# Altium PCB PROC114E3_BRD.PcbDoc (part 16 of 18)
Units mm, origin at the board's own origin, x right, y up, seen from the top; angles counter-clockwise.
Board outline 85 x 155.18 mm, 10 copper layers (TOP, L02_GND1, L03_SIG1, L04_GND2, L05_PWR1, L06_PWR2, L07_GND3, L08_SIG2, L09_GND4, BOTTOM), stack 1.134 mm thick; 1389 components, 1010 nets, 5137 pads, 3263 vias.
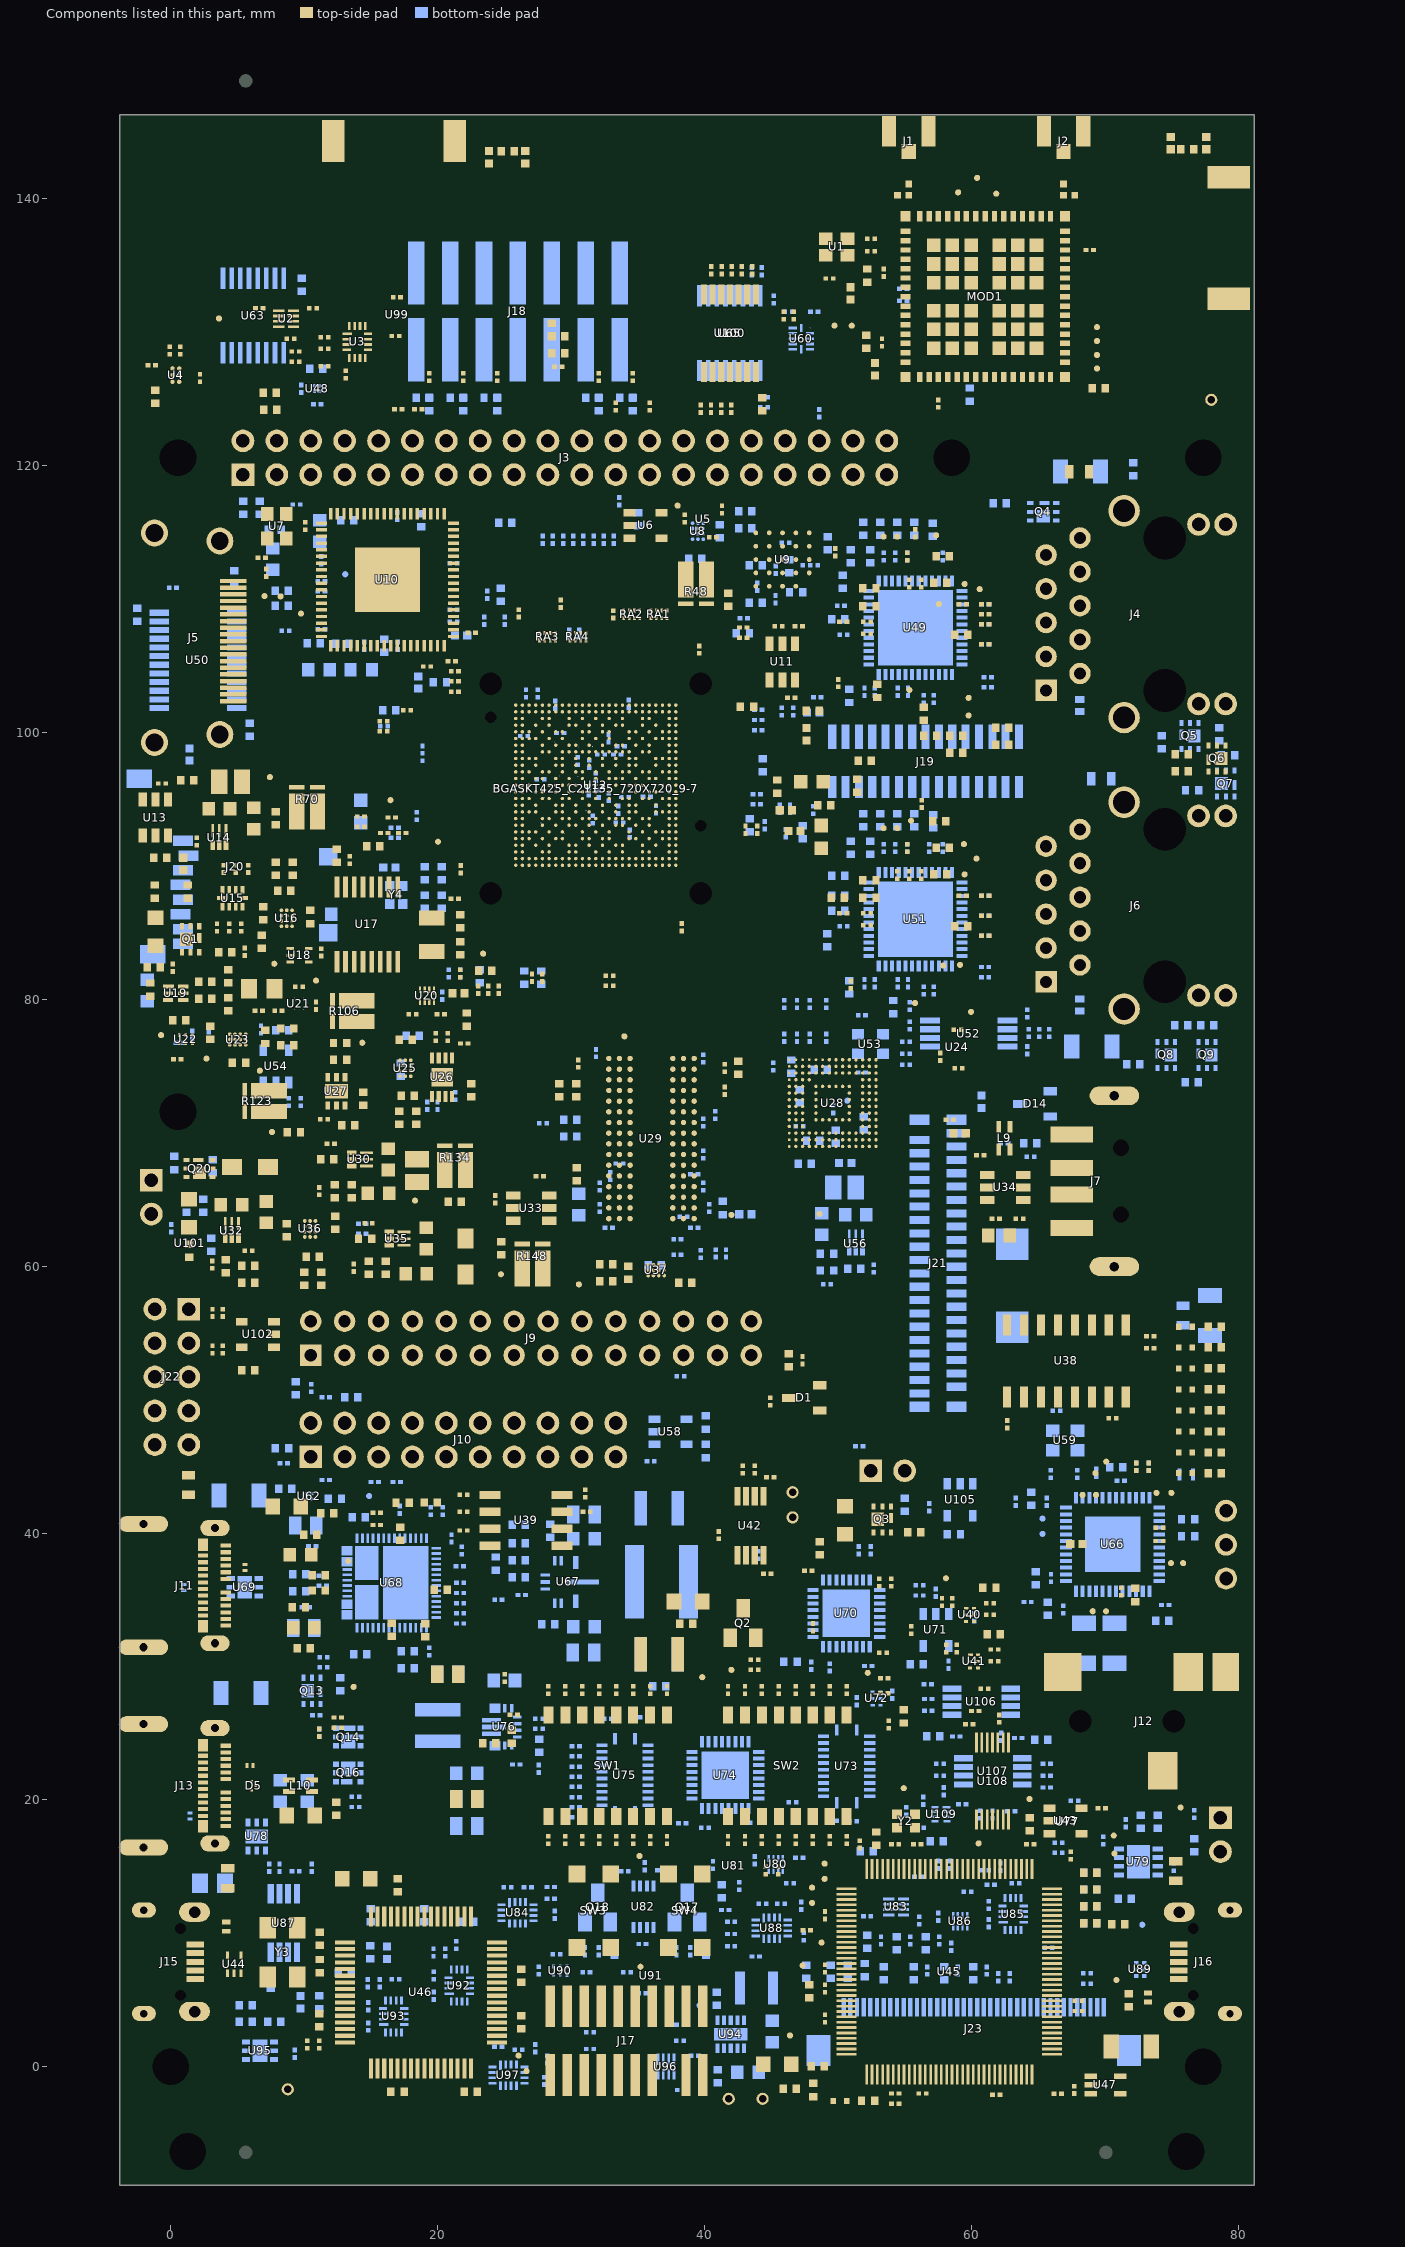
[diagram p24: the components of this part, seen from the top]

## Polygon pours and split planes (outlines as drawn) (continued)
DGND on BOTTOM "BOTTOM-DGND 3" (solid, pour order 7): 14.825,99.792 14.825,101.077 15.739,101.077 15.739,99.792
N17850096 on BOTTOM "BOTTOM-N17850096 1" (solid, pour order 0): 12.612,25.182 12.612,25.639 12.485,25.766 10.885,25.766 10.885,25.182
DGND on BOTTOM "BOTTOM-DGND 4" (solid, pour order 131): 68.569,2.677 68.569,-0.218 72.734,-0.218 72.734,2.677
DGND on BOTTOM "BOTTOM-DGND 5" (solid, pour order 87): 29.658,79.822 29.658,81.351 26.125,81.351 26.125,79.822
SOC_DVDD1V8 on BOTTOM "BOTTOM-SOC_DVDD1V8" (solid, pour order 58): 22.417,104.76 22.417,102.906 20.418,102.906 20.418,104.76
VDDR_CORE on BOTTOM "BOTTOM-VDDR_CORE" (solid, pour order 56): 23.458,112.381 23.458,110.424 25.338,110.424 25.338,112.381
CPSW1_GPIO_0 on BOTTOM "BOTTOM-CPSW1_GPIO_0" (solid, pour order 89): 77.495,78.41 77.495,74.574 78.918,74.574 78.918,78.41
CPSW1_LED_1000 on BOTTOM "BOTTOM-CPSW1_LED_1000" (solid, pour order 41): 78.232,97.409 78.232,94.894 79.299,94.894 79.299,97.409
VCC3V3_EXP on BOTTOM "BOTTOM-VCC3V3_EXP 1" (solid, pour order 115): 4.307,120.279 6.516,120.279 6.516,118.374 7.024,118.374 7.024,116.926 4.307,116.926
VDD_DDR4 on BOTTOM "BOTTOM-VDD_DDR4 1" (solid, pour order 46): 35.764,64.348 36.45,64.348 36.45,63.599 37.809,62.24 37.809,60.488 37.123,60.488 37.123,61.961 35.764,63.32
N17849698 on BOTTOM "BOTTOM-N17849698" (solid, pour order 123): 11.012,24.877 14.594,24.877 14.594,21.854 11.495,21.854 11.495,23.467 10.961,24 10.961,24.826
VCC3V3_TA on BOTTOM "BOTTOM-VCC3V3_TA 1" (solid, pour order 128): 44.312,7.264 44.312,4.608 43.552,3.848 42.826,3.848 42.826,3.12 43.513,3.12 43.677,2.957 47.156,2.957 47.156,4.506 46.318,4.506 45.988,4.836 45.988,7.264
CPSW2_LED_1000 on BOTTOM "BOTTOM-CPSW2_LED_1000" (solid, pour order 32): 64.186,116.688 64.186,115.722 66.599,115.722 66.599,116.688
VCC_3V3_FT4232 on BOTTOM "BOTTOM-VCC_3V3_FT4232" (solid, pour order 100): 8.015,4.633 8.015,2.55 7.463,2.55 7.463,1.661 9.234,1.661 10.098,2.525 10.098,4.633
VHDMI_AVCC_1V2 on BOTTOM "BOTTOM-VHDMI_AVCC_1V2" (solid, pour order 108): 14.263,106.335 14.263,104.176 17.642,104.176 17.642,106.335
VCC3V3_PRU on BOTTOM "BOTTOM-VCC3V3_PRU" (solid, pour order 110): 8.599,46.695 11.469,46.695 11.469,43.368 10.936,42.835 10.58,42.835 10.453,42.962 10.453,44.714 8.599,44.714
N17936309 on BOTTOM "BOTTOM-N17936309" (solid, pour order 73): 9.5,29.515 9.5,26.111 10.82,26.111 10.82,29.515
VBUS_TYPEC1 on BOTTOM "BOTTOM-VBUS_TYPEC1 1" (solid, pour order 96): 10.758,41.285 12.449,41.285 12.449,40.467 12.782,40.134 12.782,39.77 13.019,39.533 13.383,39.533 13.552,39.533 13.552,38.339 12.753,38.339 12.416,38.677 10.758,38.677
AGND_AUD on L08_SIG2 "L08_SIG2-AGND_AUD" (solid, pour order 231): 68.086,40.803 68.086,37.653 64.784,37.653 64.454,37.323 64.454,26.986 70.348,21.092 80.555,21.092 80.555,43.155 77.245,43.155 75.147,41.057 73.064,41.057 72.887,41.234 68.518,41.234
UART_SHIELD on L08_SIG2 "L08_SIG2-UART_SHIELD" (solid, pour order 159): -3.175,14.895 3.066,14.895 3.066,12.549 2.998,12.482 2.998,11.25 2.617,10.869 0.141,10.869 -0.164,10.564 -0.164,5.255 0.217,4.874 2.579,4.874 3.037,4.417 3.037,3.045 2.757,2.766 -3.175,2.766
VCC3V3_XDS on L08_SIG2 "L08_SIG2-VCC3V3_XDS" (solid, pour order 172): 23 vertices, not listed, extent 56.007,15.697 70.942,24.384
DRAIN2 on L08_SIG2 "L08_SIG2-DRAIN2" (solid, pour order 72): 13.792,36.017 13.792,33.524 15.519,33.524 15.519,36.017
ETH1_EARTH on L08_SIG2 "L08_SIG2-ETH1_EARTH" (solid, pour order 194): 27 vertices, not listed, extent 69.808,75.462 80.428,97.206
ETH2_EARTH on L08_SIG2 "L08_SIG2-ETH2_EARTH" (solid, pour order 203): 26 vertices, not listed, extent 68.456,99.875 80.428,120.584
HDMI_EARTH on L08_SIG2 "L08_SIG2-HDMI_EARTH" (solid, pour order 177): -3.161,98.233 -3.161,116.596 3.947,116.596 4.719,115.824 4.719,113.011 0.62,113.011 -0.331,112.06 -0.331,101.247 -0.063,100.98 4,100.98 4.687,100.293 4.687,98.233
USB_TYPEC1_EARTH on L08_SIG2 "L08_SIG2-USB_TYPEC1_EARTH" (solid, pour order 170): -3.047,30.211 -3.047,43.786 -3.034,43.8 4.916,43.8 4.916,39.787 -0.226,39.787 -0.801,39.211 -0.801,34.608 1.462,32.344 4.542,32.344 4.542,30.211
USB_TYPEC2_EARTH on L08_SIG2 "L08_SIG2-USB_TYPEC2_EARTH" (solid, pour order 174): -3.047,15.211 -3.047,28.786 -3.034,28.8 4.916,28.8 4.916,24.787 1.35,24.787 1.132,24.568 1.132,17.675 1.462,17.344 4.815,17.344 4.815,15.211 4.815,14.514 4.713,14.412 3.759,14.412 2.96,15.211
DGND on L08_SIG2 "L08_SIG2-DGND" (solid, pour order 249): 19 vertices, not listed, extent -3.175,-3.084 80.682,145.779
DRAIN1 on L08_SIG2 "L08_SIG2-DRAIN1" (solid, pour order 71): 13.792,39.04 13.792,36.551 15.519,36.551 15.519,39.04
USB_TYPEA_EARTH on L08_SIG2 "L08_SIG2-USB_TYPEA_EARTH" (solid, pour order 208): 68.834,73.508 68.834,71.323 73.762,71.323 73.762,61.036 68.758,61.036 68.758,59.055 72.254,59.055 74.676,56.633 76.666,56.633 77.164,57.131 79.849,57.131 80.645,57.927 80.645,72.847 79.985,73.508
DGND on TOP "TOP-DGND" (solid, pour order 253): -3.302,145.779 80.682,145.779 80.682,-3.302 -3.302,-3.302
AGND_AUD on TOP "TOP-AGND_AUD 1" (solid, pour order 225): 68.086,40.803 68.086,37.653 64.784,37.653 64.454,37.323 64.454,26.986 70.348,21.092 80.555,21.092 80.555,42.631 76.722,42.631 75.147,41.057 73.064,41.057 72.887,41.234 68.518,41.234
DGND on TOP "TOP-DGND 1" (solid, pour order 91): 16.854,67.676 16.854,66.609 15.787,66.609 15.457,66.279 15.457,64.348 14.187,64.348 14.187,67.6 15.381,67.6 15.457,67.676
VCC3V3_TA on TOP "TOP-VCC3V3_TA" (solid, pour order 68): 69.95,9.514 69.95,7.645 71.313,7.645 72.014,8.346 72.014,9.785 70.222,9.785
DGND on TOP "TOP-DGND 2" (solid, pour order 156): 28.03,35.367 28.03,29.5 35.726,29.5 35.726,35.367
N17118509 on TOP "TOP-N17118509" (solid, pour order 5): 0.674,80.604 2.554,80.604 2.554,79.614 1.843,79.614 1.843,80.071 1.614,80.3 0.674,80.3
DGND on TOP "TOP-DGND 3" (solid, pour order 118): 68.213,2.779 68.213,-0.066 71.312,-0.066 71.312,2.779
VMAIN on TOP "TOP-VMAIN" (solid, pour order 149): 20.842,34.91 20.842,30.274 20.842,28.561 20.853,28.55 24.511,28.55 24.511,29.261 25.706,29.261 25.706,34.91
VDDSHV_SDIO on TOP "TOP-VDDSHV_SDIO" (solid, pour order 74): 7.177,83.236 7.177,79.745 8.471,79.745 8.471,83.236
DGND on TOP "TOP-DGND 4" (solid, pour order 95): 71.134,51.09 71.134,49.185 71.647,48.672 73.623,48.672 73.623,51.09
VBUS_TYPEC1 on TOP "TOP-VBUS_TYPEC1" (solid, pour order 4): 18 vertices, not listed, extent 2.099,34.287 4.502,35.2
DGND on TOP "TOP-DGND 5" (solid, pour order 43): 3.646,12.075 3.646,10.627 5.551,10.627 5.551,12.075
SOC_DVDD3V3 on TOP "TOP-SOC_DVDD3V3" (solid, pour order 12): 17.111,99.665 17.111,101.189 16.095,101.189 16.095,99.665
N19738757 on TOP "TOP-N19738757" (solid, pour order 101): 0.711,64.465 0.711,67.488 3.404,67.488 3.429,67.462 3.429,66.497 2.032,65.1 2.032,64.465
VCC_5V0 on TOP "TOP-VCC_5V0" (solid, pour order 54): -2.336,126.502 -2.336,125.346 0.319,125.346 0.319,126.274 0.09,126.502 -0.824,126.502 -1.078,126.756 -2.221,126.756 -2.336,126.642
VCC_1V8 on TOP "TOP-VCC_1V8" (solid, pour order 139): 8.548,96.285 8.548,95.504 9.996,95.504 9.996,92.508 8.599,92.508 8.599,93.842 5.776,93.842 5.526,94.092 5.526,95.362 4.764,95.362 4.764,97.216 7.617,97.216
VDDA_1V8 on TOP "TOP-VDDA_1V8" (solid, pour order 117): 12.612,81.163 12.612,79.309 17.311,79.309 17.311,81.163
VCC_5V0 on TOP "TOP-VCC_5V0 1" (solid, pour order 171): 22.53,20.879 22.53,17.526 25.806,17.526 25.806,21.971 20.218,27.559 18.745,27.559 16.739,29.566 12.725,29.566 12.725,24.892 14.91,22.708 20.701,22.708
FT4232_USB_VBUS on TOP "TOP-FT4232_USB_VBUS" (solid, pour order 93): 5.475,8.951 1.163,8.951 1.163,9.642 1.881,10.36 5.475,10.36
N18904630 on TOP "TOP-N18904630" (solid, pour order 33): 0.686,85.725 0.686,83.287 1.651,83.287 1.651,85.725
VCC5V0_EXP on TOP "TOP-VCC5V0_EXP" (solid, pour order 150): 9.017,121.001 3.799,121.001 3.799,123.327 3.037,124.089 0.509,124.089 0.509,126.426 6.817,126.426 7.325,125.919 7.325,123.82 9.017,122.127
VCC_SDIO on TOP "TOP-VCC_SDIO" (solid, pour order 106): 6.474,81.624 6.474,79.729 2.816,79.729 2.816,81.624
CPSW2_GPIO_0 on TOP "TOP-CPSW2_GPIO_0" (solid, pour order 47): 78.257,99.263 78.257,96.774 79.477,96.774 79.477,99.263
VCC_3V3_SYS on TOP "TOP-VCC_3V3_SYS" (solid, pour order 78): 12.892,72.273 16.575,72.273 16.575,71.206 16.575,70.851 16.422,70.698 15.229,70.698 14.721,71.206 12.892,71.206
VDD_2V5 on TOP "TOP-VDD_2V5" (solid, pour order 11): 59.501,107.605 60.314,107.605 60.898,107.02 60.898,106.322 60.047,106.322 59.501,106.868
DGND on TOP "TOP-DGND 6" (solid, pour order 27): 44.06,106.396 44.06,108.529 43.07,108.529 43.07,106.396
VCC_3V3_SYS on TOP "TOP-VCC_3V3_SYS 1" (solid, pour order 26): 9.768,79.254 9.768,78.953 10.123,78.598 10.123,78.453 10.358,78.218 11.614,78.218 11.614,79.487 10.001,79.487
VDD_1V2 on TOP "TOP-VDD_1V2" (solid, pour order 28): 38.8,116.622 39.714,116.622 39.714,116.393 39.46,116.139 38.343,116.139 37.488,116.993 36.269,116.993 36.269,117.587 37.835,117.587
VCC_3V3_SYS on TOP "TOP-VCC_3V3_SYS 2" (solid, pour order 70): 62.574,101.305 63.87,101.305 63.87,98.054 62.574,98.054
VBAT_IN on TOP "TOP-VBAT_IN" (solid, pour order 90): 51.83,129.093 51.83,127.874 52.313,127.391 53.71,127.391 54.497,128.179 55.499,128.179 55.499,129.434 54.101,129.434 53.76,129.093
DGND on TOP "TOP-DGND 7" (solid, pour order 23): -2.935,82.179 -1.231,82.179 -1.231,80.96 -2.247,80.96 -2.348,81.062 -2.935,81.062
DGND on TOP "TOP-DGND 8" (solid, pour order 104): 43.092,1.737 43.092,-1.793 44.997,-1.793 44.997,1.737
VDD_2V5 on TOP "TOP-VDD_2V5 1" (solid, pour order 13): 59.386,85.837 60.237,85.837 60.923,85.151 60.923,84.478 60.047,84.478 59.386,85.138
XDS_USB_VBUS on TOP "TOP-XDS_USB_VBUS" (solid, pour order 105): 71.479,6.821 76.218,6.821 76.218,6.115 75.471,5.368 72.428,5.368 72.253,5.193 71.479,5.193
VDD_DDR4 on TOP "TOP-VDD_DDR4" (solid, pour order 112): 24.373,68.768 24.373,66.152 23.28,66.152 23.077,65.949 21.579,65.949 21.579,68.768
VCC_3V3_SYS on TOP "TOP-VCC_3V3_SYS 3" (solid, pour order 137): 37.53,32.471 37.53,28.636 40.118,28.636 41.238,29.756 41.238,32.471
VDD_MMC1 on TOP "TOP-VDD_MMC1" (solid, pour order 50): -0.494,92.796 0.37,92.796 0.37,91.628 0.649,91.349 1.208,91.349 1.386,91.171 1.386,90.307 -0.596,90.307 -0.596,91.018 -0.494,91.12
DGND on TOP "TOP-DGND 9" (solid, pour order 19): 20.156,104.811 20.156,102.88 21.147,102.88 21.147,104.811
VDDA1V8 on TOP "TOP-VDDA1V8" (solid, pour order 125): 12.612,78.903 15.279,78.903 15.279,77.734 14.771,77.226 14.771,73.899 12.968,73.899 12.968,77.658 12.612,77.658
DGND on TOP "TOP-DGND 10" (solid, pour order 130): 11.241,77.048 12.46,77.048 12.46,74.889 12.612,74.737 12.612,73.569 13.298,73.569 13.374,73.492 16.549,73.492 16.549,72.578 10.682,72.578 10.682,76.49
HDMI_EARTH on TOP "TOP-HDMI_EARTH" (solid, pour order 178): -3.161,98.233 -3.161,116.596 3.947,116.596 4.719,115.824 4.719,113.011 0.62,113.011 -0.331,112.06 -0.331,101.247 -0.063,100.98 4,100.98 4.687,100.293 4.687,98.233
VDD_2V5 on TOP "TOP-VDD_2V5 2" (solid, pour order 77): 44.591,116.622 40.137,116.622 40.137,116.393 40.391,116.139 45.01,116.139 45.823,116.952 47.664,116.952 48.096,116.52 48.299,116.52 48.553,116.774 48.553,116.901 47.969,117.485 45.455,117.485
ETH1_EARTH on TOP "TOP-ETH1_EARTH" (solid, pour order 192): 27 vertices, not listed, extent 69.808,75.462 80.428,97.206
VCC_3V3_SYS on TOP "TOP-VCC_3V3_SYS 4" (solid, pour order 65): 4.331,65.266 4.331,64.007 4.202,63.878 4.202,62.661 2.708,62.661 2.708,65.266
VCC1V2_DDR on TOP "TOP-VCC1V2_DDR" (solid, pour order 133): 21.096,68.565 21.096,64.602 15.864,64.602 15.864,65.923 16.168,66.228 17.413,66.228 17.413,66.914 19.902,66.914 19.902,68.565
DGND on TOP "TOP-DGND 11" (solid, pour order 84): 64.911,39.863 64.911,38.009 67.68,38.009 67.68,39.863
VCC_3V3_SYS on TOP "TOP-VCC_3V3_SYS 5" (solid, pour order 132): 78.538,55.776 78.538,44.143 79.63,44.143 79.63,55.776
VDD_CANUART on TOP "TOP-VDD_CANUART" (solid, pour order 18): 14.39,93.939 14.39,91.145 15.051,91.145 15.051,93.939
DGND on TOP "TOP-DGND 12" (solid, pour order 124): 71.693,16.85 71.693,14.666 76.29,14.666 76.29,16.85
SW_1V8_IO on TOP "TOP-SW_1V8_IO" (solid, pour order 57): 4.332,95.159 4.332,97.267 4.103,97.495 2.96,97.495 2.872,97.407 2.872,95.146 3.113,94.905 4.078,94.905
DGND on TOP "TOP-DGND 13" (solid, pour order 94): 19.674,61.732 19.674,60.665 18.607,60.665 18.277,60.335 18.277,58.278 17.007,58.278 17.007,61.656 18.2,61.656 18.277,61.732
UART_SHIELD on TOP "TOP-UART_SHIELD" (solid, pour order 158): -3.014,14.895 3.066,14.895 3.066,12.549 2.998,12.482 2.998,11.25 2.617,10.869 0.141,10.869 -0.164,10.564 -0.164,5.255 0.217,4.874 2.579,4.874 3.037,4.417 3.037,3.045 2.757,2.766 -3.014,2.766
SOC_DVDD3V3 on TOP "TOP-SOC_DVDD3V3 1" (solid, pour order 17): 42.714,106.396 42.714,108.529 41.85,108.529 41.85,106.396
VBUS_TYPEC1 on TOP "TOP-VBUS_TYPEC1 1" (solid, pour order 45): 10.669,40.516 12.447,40.516 12.447,38.821 12.308,38.682 11.609,38.682 11.495,38.796 11.495,39.164 11.444,39.215 10.733,39.215 10.669,39.279
VDD_1V0 on TOP "TOP-VDD_1V0" (solid, pour order 31): 59.084,79.309 60.085,79.309 60.237,79.157 60.237,78.801 59.933,78.496 59.933,77.328 59.755,77.15 59.755,76.655 59.338,76.655 59.084,76.909
VCC_3V3_SYS on TOP "TOP-VCC_3V3_SYS 6" (solid, pour order 102): 39.638,112.761 42.127,112.761 42.127,110.195 39.638,110.195
USB_TYPEC1_EARTH on TOP "TOP-USB_TYPEC1_EARTH" (solid, pour order 169): -3.047,30.211 -3.047,43.786 -3.034,43.8 4.916,43.8 4.916,39.787 -0.226,39.787 -0.801,39.211 -0.801,34.608 1.462,32.344 4.542,32.344 4.542,30.211
SOC_DVDD1V8 on TOP "TOP-SOC_DVDD1V8" (solid, pour order 16): 22.417,104.76 22.417,102.906 21.426,102.906 21.426,104.76
VMAIN on TOP "TOP-VMAIN 1" (solid, pour order 86): 10.199,33.779 12.536,33.779 12.536,31.76 11.469,31.76 10.784,31.074 10.199,31.074
VCC3V3_TA on TOP "TOP-VCC3V3_TA 1" (solid, pour order 52): 45.263,2.888 45.263,4.607 47.226,4.607 47.226,2.888
SOC_DVDD1V8 on TOP "TOP-SOC_DVDD1V8 1" (solid, pour order 116): 10.428,95.638 13.07,95.638 13.07,92.534 10.428,92.534
VDD_MMC1_SD on TOP "TOP-VDD_MMC1_SD" (solid, pour order 103): -1.535,89.952 2.198,89.952 2.198,88.224 -1.535,88.224
VCC_5V0 on TOP "TOP-VCC_5V0 2" (solid, pour order 111): 60.579,65.278 60.579,63.679 59.75,62.85 59.75,60.808 61.798,60.808 61.798,65.278
VDD_CORE on TOP "TOP-VDD_CORE" (solid, pour order 134): 31.027,61.199 31.027,57.668 27.319,57.668 27.319,61.199
SW_VDD_CORE on TOP "TOP-SW_VDD_CORE" (solid, pour order 113): 19.902,63.231 19.902,61.402 20.08,61.224 23.331,61.224 23.534,61.427 23.534,63.282 23.433,63.383 20.055,63.383
USB_TYPEC2_EARTH on TOP "TOP-USB_TYPEC2_EARTH" (solid, pour order 176): -3.047,15.211 -3.047,28.786 -3.034,28.8 4.916,28.8 4.916,24.787 1.35,24.787 1.132,24.568 1.132,17.675 1.462,17.344 4.815,17.344 4.815,15.211 4.815,14.514 4.713,14.412 3.759,14.412 2.96,15.211
VCC_CORE on TOP "TOP-VCC_CORE" (solid, pour order 145): 26.938,61.148 26.938,58.227 18.632,58.227 18.632,60.005 18.886,60.259 19.978,60.259 20.359,60.64 23.23,60.64 23.738,61.148
VDD_CORE on TOP "TOP-VDD_CORE 1" (solid, pour order 119): 48.299,96.911 49.544,96.911 50.814,95.641 50.814,91.831 49.163,90.18 48.147,90.18 48.147,92.009 49.315,92.009 50.001,92.695 50.001,95.159 49.468,95.692 48.299,95.692
VBUS_5V0_TYPEA1 on TOP "TOP-VBUS_5V0_TYPEA1" (solid, pour order 127): 63.322,65.278 63.322,64.389 63.729,63.983 63.729,62.586 64.11,62.205 69.164,62.205 69.164,63.602 66.065,63.602 64.389,65.278
DGND on TOP "TOP-DGND 14" (solid, pour order 35): 57.621,78.115 57.621,76.439 58.459,76.439 58.917,75.982 58.943,75.982 59.348,76.386 59.348,76.439 58.866,76.921 58.866,78.115
VBUS_TYPEC2 on TOP "TOP-VBUS_TYPEC2" (solid, pour order 1): 18 vertices, not listed, extent 2.099,19.287 4.502,20.2
VCC_3V3_SYS on TOP "TOP-VCC_3V3_SYS 7" (solid, pour order 63): 16.778,69.936 16.778,68.336 15.457,68.336 15.381,68.412 14.187,68.412 14.187,69.936
VDD_DDR4 on TOP "TOP-VDD_DDR4 1" (solid, pour order 8): 31.719,81.976 31.719,80.681 32.78,80.681 32.78,81.976
N18904815 on TOP "TOP-N18904815" (solid, pour order 42): 52.426,42.316 52.426,39.802 53.492,39.802 53.492,42.316
DGND on TOP "TOP-DGND 15" (solid, pour order 39): 29.633,80.462 29.633,81.377 26.864,81.377 26.864,80.462
VBUS_TYPEC1 on TOP "TOP-VBUS_TYPEC1 2" (solid, pour order 2): 18 vertices, not listed, extent 2.059,37.037 4.462,37.95
AGND_AUD on TOP "TOP-AGND_AUD" (solid, pour order 151): 68.111,39.863 68.111,35.697 73.928,35.697 73.928,41.057 73.776,41.209 72.683,41.209 68.518,41.209 68.111,40.803
VDD_DDR4 on TOP "TOP-VDD_DDR4 2" (solid, pour order 30): 29.1,81.808 29.1,82.822 26.864,82.822 26.864,81.808
DGND on TOP "TOP-DGND 16" (solid, pour order 129): 5.653,19.822 5.653,16.723 9.234,16.723 9.234,19.822
ETH2_EARTH on TOP "TOP-ETH2_EARTH" (solid, pour order 200): 26 vertices, not listed, extent 68.456,99.875 80.428,120.584
DGND on TOP "TOP-DGND 17" (solid, pour order 109): 3.976,94.828 5.145,94.828 5.145,93.889 5.477,93.556 8.193,93.556 8.193,92.161 4.053,92.161 4.053,93.355 3.976,93.431
N17118493 on TOP "TOP-N17118493" (solid, pour order 10): 0.674,81.62 2.554,81.62 2.554,80.858 0.674,80.858
VCC_3V3_SYS on TOP "TOP-VCC_3V3_SYS 8" (solid, pour order 40): 52.059,127.061 52.059,125.664 53.887,125.664 53.887,127.061
VMAIN on TOP "TOP-VMAIN 2" (solid, pour order 49): 9.83,38.859 11.19,38.859 11.19,38.567 11.38,38.377 12.447,38.377 12.447,37.462 9.83,37.462
SOC_DVDD3V3 on TOP "TOP-SOC_DVDD3V3 2" (solid, pour order 79): 37.327,112.862 37.327,110.17 39.13,110.17 39.13,112.862
SW_RCORE on TOP "TOP-SW_RCORE" (solid, pour order 122): 3.669,70.219 3.669,65.659 5.833,65.659 5.833,70.219
VCC_5V0 on TOP "TOP-VCC_5V0 3" (solid, pour order 15): -2.257,80.503 -1.231,80.503 -1.231,78.729 -2.257,78.729
VDDR_CORE on TOP "TOP-VDDR_CORE" (solid, pour order 126): 6.11,75.524 9.577,75.524 9.577,72.578 6.11,72.578
XDS_SHIELD on TOP "TOP-XDS_SHIELD" (solid, pour order 166): 20 vertices, not listed, extent 72.836,0.391 80.278,14.285
VBUS_TYPEC2 on TOP "TOP-VBUS_TYPEC2 1" (solid, pour order 3): 18 vertices, not listed, extent 2.059,22.037 4.462,22.95
DGND on TOP "TOP-DGND 18" (solid, pour order 141): 18.593,21.946 18.593,16.891 21.869,16.891 21.869,21.946
VCC_0V85 on TOP "TOP-VCC_0V85" (solid, pour order 146): 6.059,72.146 9.031,72.146 9.031,64.252 6.369,64.252 6.369,70.58 6.059,70.89
VCC_3V3_SYS on TOP "TOP-VCC_3V3_SYS 9" (solid, pour order 64): 1.716,94.752 3.316,94.752 3.316,93.431 3.24,93.355 3.24,92.161 1.716,92.161
VDD_2V5 on TOP "TOP-VDD_2V5 3" (solid, pour order 37): 59.427,76.172 60.036,76.172 60.341,75.867 60.341,74.204 60.049,73.911 59.401,73.911 59.173,74.14 59.173,75.918
VCC3V3_XDS on TOP "TOP-VCC3V3_XDS" (solid, pour order 66): 67.57,9.747 67.57,7.649 69.519,7.649 69.519,9.747
VBUS_TYPEC2 on TOP "TOP-VBUS_TYPEC2 2" (solid, pour order 34): 9.83,34.999 12.435,34.999 12.435,34.084 9.83,34.084
USB_TYPEA_EARTH on TOP "TOP-USB_TYPEA_EARTH" (solid, pour order 214): 68.834,73.508 68.834,71.323 73.762,71.323 73.762,61.036 68.758,61.036 68.758,59.055 72.254,59.055 74.676,56.633 76.666,56.633 77.164,57.131 79.849,57.131 80.645,57.927 80.645,72.847 79.985,73.508
VCC_3V3_SYS on TOP "TOP-VCC_3V3_SYS 10" (solid, pour order 83): 19.724,64.247 19.724,62.393 18.277,62.393 18.2,62.469 17.007,62.469 17.007,63.205 16.905,63.307 16.905,64.247
DGND on L09_GND4 "L09_GND4-DGND" (solid, pour order 252): -3.302,145.779 80.682,145.779 80.682,-3.302 -3.302,-3.302
AGND_AUD on L09_GND4 "L09_GND4-AGND_AUD" (solid, pour order 229): 68.086,41.082 68.086,37.653 64.784,37.653 64.454,37.323 64.454,26.986 70.348,21.092 80.555,21.092 80.555,42.631 76.722,42.631 75.147,41.057 73.064,41.057 72.887,41.234 68.238,41.234
ETH2_EARTH on L09_GND4 "L09_GND4-ETH2_EARTH" (solid, pour order 199): 26 vertices, not listed, extent 68.456,99.875 80.428,120.584
UART_SHIELD on L09_GND4 "L09_GND4-UART_SHIELD" (solid, pour order 161): -3.175,14.895 3.066,14.895 3.066,12.549 2.998,12.482 2.998,11.25 2.617,10.869 0.141,10.869 -0.164,10.564 -0.164,5.255 0.217,4.874 2.579,4.874 3.037,4.417 3.037,3.045 2.757,2.766 -3.175,2.766
HDMI_EARTH on L09_GND4 "L09_GND4-HDMI_EARTH" (solid, pour order 183): -3.161,98.233 -3.161,116.596 4.719,116.596 4.719,113.011 0.62,113.011 -0.331,112.06 -0.331,101.247 4.687,101.247 4.687,98.233
ETH1_EARTH on L09_GND4 "L09_GND4-ETH1_EARTH" (solid, pour order 191): 27 vertices, not listed, extent 69.808,75.462 80.428,97.206
USB_TYPEA_EARTH on L09_GND4 "L09_GND4-USB_TYPEA_EARTH" (solid, pour order 210): 68.834,73.508 68.834,71.323 73.762,71.323 73.762,61.036 68.758,61.036 68.758,59.055 72.254,59.055 74.676,56.633 76.666,56.633 77.164,57.131 79.849,57.131 80.645,57.927 80.645,72.847 79.985,73.508
VDD_CORE on L05_PWR1 "L05_PWR1-VDD_CORE" (solid, pour order 246): 801 vertices, not listed, extent -3.302,-3.302 80.682,145.779
VDD_DDR4 on L05_PWR1 "L05_PWR1-VDD_DDR4" (solid, pour order 235): 19 vertices, not listed, extent 22.823,62.494 40.857,94.229
VCC_3V3_AUD on L05_PWR1 "L05_PWR1-VCC_3V3_AUD" (solid, pour order 216): 23 vertices, not listed, extent 54.167,29.489 72.175,49.261
UART_SHIELD on L05_PWR1 "L05_PWR1-UART_SHIELD" (solid, pour order 162): -3.175,14.895 3.066,14.895 3.066,12.549 2.998,12.482 2.998,11.25 2.617,10.869 0.141,10.869 -0.164,10.564 -0.164,5.255 0.217,4.874 2.579,4.874 3.037,4.417 3.037,3.045 2.757,2.766 -3.175,2.766
USB_TYPEA_EARTH on L05_PWR1 "L05_PWR1-USB_TYPEA_EARTH" (solid, pour order 207): 68.834,73.508 68.834,71.323 73.762,71.323 73.762,61.036 68.758,61.036 68.758,59.055 72.254,59.055 74.676,56.633 76.666,56.633 77.164,57.131 79.849,57.131 80.645,57.927 80.645,72.847 79.985,73.508
ETH1_EARTH on L05_PWR1 "L05_PWR1-ETH1_EARTH" (solid, pour order 188): 27 vertices, not listed, extent 69.808,75.462 80.428,97.206
VCC_1V8 on L05_PWR1 "L05_PWR1-VCC_1V8" (solid, pour order 224): 38 vertices, not listed, extent 26.779,111.186 52.592,135.062
VCC3V3_EXP on L05_PWR1 "L05_PWR1-VCC3V3_EXP" (solid, pour order 223): 32 vertices, not listed, extent 4.637,117.003 48.905,126.756
ETH2_EARTH on L05_PWR1 "L05_PWR1-ETH2_EARTH" (solid, pour order 196): 26 vertices, not listed, extent 68.456,99.875 80.428,120.584
SOC_DVDD1V8 on L05_PWR1 "L05_PWR1-SOC_DVDD1V8" (solid, pour order 220): 17.601,107.462 31.332,107.462 31.332,99.168 30.944,98.779 27.929,98.779 26.187,97.038 15.305,97.038 15.305,93.93 11.8,93.93 11.8,99.261 12.371,99.832 12.371,102.232
USB_TYPEC1_EARTH on L05_PWR1 "L05_PWR1-USB_TYPEC1_EARTH" (solid, pour order 167): -3.047,30.211 -3.047,43.786 -3.034,43.8 4.916,43.8 4.916,39.787 -0.226,39.787 -0.801,39.211 -0.801,34.608 1.462,32.344 4.542,32.344 4.542,30.211
VCC3V3_TA on L05_PWR1 "L05_PWR1-VCC3V3_TA" (solid, pour order 241): 39 vertices, not listed, extent 28.691,-3.24 76.9,25.664
USB_TYPEC2_EARTH on L05_PWR1 "L05_PWR1-USB_TYPEC2_EARTH" (solid, pour order 173): -3.047,15.211 -3.047,28.786 -3.034,28.8 4.916,28.8 4.916,24.787 1.35,24.787 1.132,24.568 1.132,17.675 1.462,17.344 4.815,17.344 4.815,15.211 4.815,14.514 4.713,14.412 3.759,14.412 2.96,15.211
VDDR_CORE on L05_PWR1 "L05_PWR1-VDDR_CORE" (solid, pour order 218): 24 vertices, not listed, extent 5.119,74.714 14.468,110.38
VCC_5V0 on L05_PWR1 "L05_PWR1-VCC_5V0" (solid, pour order 238): 32 vertices, not listed, extent -3.148,25.778 16.613,129.169
VDD_CORE on L05_PWR1 "L05_PWR1-VDD_CORE 1" (solid, pour order 244): 30 vertices, not listed, extent 15.787,51.953 54.079,102.474
DGND on L04_GND2 "L04_GND2-DGND" (solid, pour order 254): -3.302,145.779 80.682,145.779 80.682,-3.302 -3.302,-3.302
AGND_AUD on L04_GND2 "L04_GND2-AGND_AUD" (solid, pour order 228): 68.086,41.082 68.086,37.653 64.784,37.653 64.454,37.323 64.454,26.986 70.348,21.092 80.555,21.092 80.555,42.631 76.722,42.631 75.147,41.057 73.064,41.057 72.887,41.234 68.238,41.234
ETH2_EARTH on L04_GND2 "L04_GND2-ETH2_EARTH" (solid, pour order 202): 26 vertices, not listed, extent 68.456,99.875 80.428,120.584
HDMI_EARTH on L04_GND2 "L04_GND2-HDMI_EARTH" (solid, pour order 182): -3.161,98.233 -3.161,116.596 3.947,116.596 4.719,115.824 4.719,113.011 0.62,113.011 -0.331,112.06 -0.331,101.247 -0.063,100.98 4,100.98 4.687,100.293 4.687,98.233
ETH1_EARTH on L04_GND2 "L04_GND2-ETH1_EARTH" (solid, pour order 189): 27 vertices, not listed, extent 69.808,75.462 80.428,97.206
USB_TYPEA_EARTH on L04_GND2 "L04_GND2-USB_TYPEA_EARTH" (solid, pour order 209): 68.834,73.508 68.834,71.323 73.762,71.323 73.762,61.036 68.758,61.036 68.758,59.055 72.254,59.055 74.676,56.633 76.666,56.633 77.164,57.131 79.849,57.131 80.645,57.927 80.645,72.847 79.985,73.508
AGND_AUD on L03_SIG1 "L03_SIG1-AGND_AUD" (solid, pour order 230): 68.086,40.803 68.086,37.653 64.784,37.653 64.454,37.323 64.454,26.986 70.348,21.092 80.555,21.092 80.555,43.155 77.245,43.155 75.147,41.057 73.064,41.057 72.887,41.234 68.518,41.234
ETH2_EARTH on L03_SIG1 "L03_SIG1-ETH2_EARTH" (solid, pour order 198): 26 vertices, not listed, extent 68.456,99.875 80.428,120.584
HDMI_EARTH on L03_SIG1 "L03_SIG1-HDMI_EARTH" (solid, pour order 179): -3.161,98.233 -3.161,116.596 3.947,116.596 4.719,115.824 4.719,113.011 0.62,113.011 -0.331,112.06 -0.331,101.247 -0.063,100.98 4,100.98 4.687,100.293 4.687,98.233
ETH1_EARTH on L03_SIG1 "L03_SIG1-ETH1_EARTH" (solid, pour order 190): 27 vertices, not listed, extent 69.808,75.462 80.428,97.206
USB_TYPEA_EARTH on L03_SIG1 "L03_SIG1-USB_TYPEA_EARTH" (solid, pour order 215): 68.834,73.508 68.834,71.323 73.762,71.323 73.762,61.036 68.758,61.036 68.758,59.055 72.254,59.055 74.676,56.633 76.666,56.633 77.164,57.131 79.849,57.131 80.645,57.927 80.645,72.847 79.985,73.508
DGND on L03_SIG1 "L03_SIG1-DGND" (solid, pour order 248): 19 vertices, not listed, extent -3.175,-3.084 80.555,145.778
DGND on L07_GND3 "L07_GND3-DGND" (solid, pour order 251): -3.302,145.779 80.682,145.779 80.682,-3.302 -3.302,-3.302
AGND_AUD on L07_GND3 "L07_GND3-AGND_AUD" (solid, pour order 227): 68.086,41.082 68.086,37.653 64.784,37.653 64.454,37.323 64.454,26.986 70.348,21.092 80.555,21.092 80.555,42.631 76.722,42.631 75.147,41.057 73.064,41.057 72.887,41.234 68.238,41.234
ETH2_EARTH on L07_GND3 "L07_GND3-ETH2_EARTH" (solid, pour order 197): 26 vertices, not listed, extent 68.456,99.875 80.428,120.584
ETH1_EARTH on L07_GND3 "L07_GND3-ETH1_EARTH" (solid, pour order 186): 27 vertices, not listed, extent 69.808,75.462 80.428,97.206
HDMI_EARTH on L07_GND3 "L07_GND3-HDMI_EARTH" (solid, pour order 184): -3.161,98.233 -3.161,116.596 4.719,116.596 4.719,113.011 0.62,113.011 -0.331,112.06 -0.331,101.247 4.687,101.247 4.687,98.233
USB_TYPEA_EARTH on L07_GND3 "L07_GND3-USB_TYPEA_EARTH" (solid, pour order 211): 68.834,73.508 68.834,71.323 73.762,71.323 73.762,61.036 68.758,61.036 68.758,59.055 72.254,59.055 74.676,56.633 76.666,56.633 77.164,57.131 79.849,57.131 80.645,57.927 80.645,72.847 79.985,73.508
UART_SHIELD on L07_GND3 "L07_GND3-UART_SHIELD" (solid, pour order 163): -3.175,14.895 3.066,14.895 3.066,12.549 2.998,12.482 2.998,11.25 2.617,10.869 0.141,10.869 -0.164,10.564 -0.164,5.255 0.217,4.874 2.579,4.874 3.037,4.417 3.037,3.045 2.757,2.766 -3.175,2.766
AGND_AUD on L02_GND1 "L02_GND1-AGND_AUD" (solid, pour order 232): 68.086,40.803 68.086,37.653 64.784,37.653 64.454,37.323 64.454,26.986 70.348,21.092 80.555,21.092 80.555,43.155 77.245,43.155 75.147,41.057 73.064,41.057 72.887,41.234 68.518,41.234
USB_TYPEA_EARTH on L02_GND1 "L02_GND1-USB_TYPEA_EARTH" (solid, pour order 247): 149 vertices, not listed, extent -3.175,-3.089 80.682,145.778
ETH2_EARTH on L02_GND1 "L02_GND1-ETH2_EARTH" (solid, pour order 204): 26 vertices, not listed, extent 68.456,99.875 80.428,120.584
HDMI_EARTH on L02_GND1 "L02_GND1-HDMI_EARTH" (solid, pour order 180): -3.161,98.233 -3.161,116.596 3.947,116.596 4.719,115.824 4.719,113.011 0.62,113.011 -0.331,112.06 -0.331,101.247 -0.063,100.98 4,100.98 4.687,100.293 4.687,98.233
USB_TYPEA_EARTH on L02_GND1 "L02_GND1-USB_TYPEA_EARTH 1" (solid, pour order 213): 68.834,73.508 68.834,71.323 73.762,71.323 73.762,61.036 68.758,61.036 68.758,59.055 72.254,59.055 74.676,56.633 76.666,56.633 77.164,57.131 79.849,57.131 80.645,57.927 80.645,72.847 79.985,73.508
ETH1_EARTH on L02_GND1 "L02_GND1-ETH1_EARTH" (solid, pour order 195): 27 vertices, not listed, extent 69.808,75.462 80.428,97.206

## Keep-outs
TOP:
  region: 39.971,97.09 39.942,97.239 39.858,97.365 39.732,97.449 39.583,97.479 39.434,97.449 39.392,97.421 39.308,97.365 39.224,97.239 39.194,97.09 39.224,96.942 39.308,96.816 39.392,96.76 39.434,96.732 39.583,96.702 39.732,96.732 39.858,96.816 39.942,96.942 39.971,97.09
  region: 37.265,97.502 37.235,97.651 37.151,97.777 37.025,97.861 36.876,97.89 36.728,97.861 36.686,97.833 36.602,97.777 36.518,97.651 36.488,97.502 36.518,97.353 36.602,97.227 36.686,97.171 36.728,97.143 36.876,97.113 37.025,97.143 37.151,97.227 37.235,97.353 37.265,97.502
  region: 43.122,97.047 43.093,97.196 43.008,97.322 42.882,97.406 42.734,97.436 42.585,97.406 42.543,97.378 42.459,97.322 42.375,97.196 42.345,97.047 42.375,96.898 42.459,96.772 42.543,96.716 42.585,96.688 42.734,96.659 42.882,96.688 43.008,96.772 43.093,96.898 43.122,97.047
  region: 40.733,97.09 40.704,97.239 40.62,97.365 40.494,97.449 40.345,97.479 40.196,97.449 40.154,97.421 40.07,97.365 39.986,97.239 39.956,97.09 39.986,96.942 40.07,96.816 40.154,96.76 40.196,96.732 40.345,96.702 40.494,96.732 40.62,96.816 40.704,96.942 40.733,97.09
  region: 42.36,97.047 42.331,97.196 42.246,97.322 42.12,97.406 41.972,97.436 41.823,97.406 41.781,97.378 41.697,97.322 41.613,97.196 41.583,97.047 41.613,96.898 41.697,96.772 41.781,96.716 41.823,96.688 41.972,96.659 42.12,96.688 42.246,96.772 42.331,96.898 42.36,97.047
  region: 36.778,96.088 36.749,96.237 36.665,96.363 36.538,96.447 36.39,96.477 36.241,96.447 36.199,96.419 36.115,96.363 36.031,96.237 36.001,96.088 36.031,95.94 36.115,95.814 36.199,95.758 36.241,95.729 36.39,95.7 36.538,95.729 36.665,95.814 36.749,95.94 36.778,96.088
  region: 57.087,97.917 57.058,98.065 56.973,98.191 56.847,98.276 56.699,98.305 56.55,98.276 56.508,98.247 56.424,98.191 56.34,98.065 56.31,97.917 56.34,97.768 56.424,97.642 56.508,97.586 56.55,97.558 56.699,97.528 56.847,97.558 56.973,97.642 57.058,97.768 57.087,97.917
  region: 51.087,101.434 51.058,101.582 50.974,101.708 50.848,101.793 50.699,101.822 50.55,101.793 50.508,101.764 50.424,101.708 50.34,101.582 50.31,101.434 50.34,101.285 50.424,101.159 50.508,101.103 50.55,101.075 50.699,101.045 50.848,101.075 50.974,101.159 51.058,101.285 51.087,101.434
  region: 54.087,101.434 54.058,101.582 53.974,101.708 53.848,101.793 53.699,101.822 53.55,101.793 53.508,101.764 53.424,101.708 53.34,101.582 53.31,101.434 53.34,101.285 53.424,101.159 53.508,101.103 53.55,101.075 53.699,101.045 53.848,101.075 53.974,101.159 54.058,101.285 54.087,101.434
  region: 51.849,101.434 51.82,101.582 51.736,101.708 51.61,101.793 51.461,101.822 51.312,101.793 51.27,101.764 51.186,101.708 51.102,101.582 51.072,101.434 51.102,101.285 51.186,101.159 51.27,101.103 51.312,101.075 51.461,101.045 51.61,101.075 51.736,101.159 51.82,101.285 51.849,101.434
  region: 6.714,-6.418 6.677,-6.136 6.568,-5.874 6.395,-5.648 6.169,-5.475 5.907,-5.366 5.625,-5.329 5.343,-5.366 5.081,-5.475 4.855,-5.648 4.682,-5.874 4.573,-6.136 4.536,-6.418 4.573,-6.7 4.682,-6.962 4.855,-7.188 5.081,-7.361 5.343,-7.47 5.625,-7.507 5.907,-7.47 6.169,-7.361 6.395,-7.188 6.568,-6.962 6.677,-6.7 6.714,-6.418
  region: 54.849,101.434 54.82,101.582 54.736,101.708 54.61,101.793 54.461,101.822 54.312,101.793 54.27,101.764 54.186,101.708 54.102,101.582 54.072,101.434 54.102,101.285 54.186,101.159 54.27,101.103 54.312,101.075 54.461,101.045 54.61,101.075 54.736,101.159 54.82,101.285 54.849,101.434
  region: 6.714,148.827 6.677,149.109 6.568,149.371 6.395,149.597 6.169,149.77 5.907,149.878 5.625,149.916 5.343,149.878 5.081,149.77 4.855,149.597 4.682,149.371 4.573,149.109 4.536,148.827 4.573,148.545 4.682,148.282 4.855,148.057 5.081,147.884 5.343,147.775 5.625,147.738 5.907,147.775 6.169,147.884 6.395,148.057 6.568,148.282 6.677,148.545 6.714,148.827
  region: 57.849,97.917 57.82,98.065 57.735,98.191 57.609,98.276 57.461,98.305 57.312,98.276 57.27,98.247 57.186,98.191 57.102,98.065 57.072,97.917 57.102,97.768 57.186,97.642 57.27,97.586 57.312,97.558 57.461,97.528 57.609,97.558 57.735,97.642 57.82,97.768 57.849,97.917
L02_GND1:
  region: 54.087,101.434 54.058,101.582 53.974,101.708 53.848,101.793 53.699,101.822 53.55,101.793 53.508,101.764 53.424,101.708 53.34,101.582 53.31,101.434 53.34,101.285 53.424,101.159 53.508,101.103 53.55,101.075 53.699,101.045 53.848,101.075 53.974,101.159 54.058,101.285 54.087,101.434
  region: 57.849,97.917 57.82,98.065 57.735,98.191 57.609,98.276 57.461,98.305 57.312,98.276 57.27,98.247 57.186,98.191 57.102,98.065 57.072,97.917 57.102,97.768 57.186,97.642 57.27,97.586 57.312,97.558 57.461,97.528 57.609,97.558 57.735,97.642 57.82,97.768 57.849,97.917
  region: 51.849,101.434 51.82,101.582 51.736,101.708 51.61,101.793 51.461,101.822 51.312,101.793 51.27,101.764 51.186,101.708 51.102,101.582 51.072,101.434 51.102,101.285 51.186,101.159 51.27,101.103 51.312,101.075 51.461,101.045 51.61,101.075 51.736,101.159 51.82,101.285 51.849,101.434
  region: 54.849,101.434 54.82,101.582 54.736,101.708 54.61,101.793 54.461,101.822 54.312,101.793 54.27,101.764 54.186,101.708 54.102,101.582 54.072,101.434 54.102,101.285 54.186,101.159 54.27,101.103 54.312,101.075 54.461,101.045 54.61,101.075 54.736,101.159 54.82,101.285 54.849,101.434
  region: 40.733,97.09 40.704,97.239 40.62,97.365 40.494,97.449 40.345,97.479 40.196,97.449 40.154,97.421 40.07,97.365 39.986,97.239 39.956,97.09 39.986,96.942 40.07,96.816 40.154,96.76 40.196,96.732 40.345,96.702 40.494,96.732 40.62,96.816 40.704,96.942 40.733,97.09
  region: 36.778,96.088 36.749,96.237 36.665,96.363 36.538,96.447 36.39,96.477 36.241,96.447 36.199,96.419 36.115,96.363 36.031,96.237 36.001,96.088 36.031,95.94 36.115,95.814 36.199,95.758 36.241,95.729 36.39,95.7 36.538,95.729 36.665,95.814 36.749,95.94 36.778,96.088
  region: 57.087,97.917 57.058,98.065 56.973,98.191 56.847,98.276 56.699,98.305 56.55,98.276 56.508,98.247 56.424,98.191 56.34,98.065 56.31,97.917 56.34,97.768 56.424,97.642 56.508,97.586 56.55,97.558 56.699,97.528 56.847,97.558 56.973,97.642 57.058,97.768 57.087,97.917
  region: 42.36,97.047 42.331,97.196 42.246,97.322 42.12,97.406 41.972,97.436 41.823,97.406 41.781,97.378 41.697,97.322 41.613,97.196 41.583,97.047 41.613,96.898 41.697,96.772 41.781,96.716 41.823,96.688 41.972,96.659 42.12,96.688 42.246,96.772 42.331,96.898 42.36,97.047
  region: 39.971,97.09 39.942,97.239 39.858,97.365 39.732,97.449 39.583,97.479 39.434,97.449 39.392,97.421 39.308,97.365 39.224,97.239 39.194,97.09 39.224,96.942 39.308,96.816 39.392,96.76 39.434,96.732 39.583,96.702 39.732,96.732 39.858,96.816 39.942,96.942 39.971,97.09
  region: 51.087,101.434 51.058,101.582 50.974,101.708 50.848,101.793 50.699,101.822 50.55,101.793 50.508,101.764 50.424,101.708 50.34,101.582 50.31,101.434 50.34,101.285 50.424,101.159 50.508,101.103 50.55,101.075 50.699,101.045 50.848,101.075 50.974,101.159 51.058,101.285 51.087,101.434
  region: 43.122,97.047 43.093,97.196 43.008,97.322 42.882,97.406 42.734,97.436 42.585,97.406 42.543,97.378 42.459,97.322 42.375,97.196 42.345,97.047 42.375,96.898 42.459,96.772 42.543,96.716 42.585,96.688 42.734,96.659 42.882,96.688 43.008,96.772 43.093,96.898 43.122,97.047
  region: 37.265,97.502 37.235,97.651 37.151,97.777 37.025,97.861 36.876,97.89 36.728,97.861 36.686,97.833 36.602,97.777 36.518,97.651 36.488,97.502 36.518,97.353 36.602,97.227 36.686,97.171 36.728,97.143 36.876,97.113 37.025,97.143 37.151,97.227 37.235,97.353 37.265,97.502
L03_SIG1:
  region: 54.087,101.434 54.058,101.582 53.974,101.708 53.848,101.793 53.699,101.822 53.55,101.793 53.508,101.764 53.424,101.708 53.34,101.582 53.31,101.434 53.34,101.285 53.424,101.159 53.508,101.103 53.55,101.075 53.699,101.045 53.848,101.075 53.974,101.159 54.058,101.285 54.087,101.434
  region: 40.733,97.09 40.704,97.239 40.62,97.365 40.494,97.449 40.345,97.479 40.196,97.449 40.154,97.421 40.07,97.365 39.986,97.239 39.956,97.09 39.986,96.942 40.07,96.816 40.154,96.76 40.196,96.732 40.345,96.702 40.494,96.732 40.62,96.816 40.704,96.942 40.733,97.09
  region: 37.265,97.502 37.235,97.651 37.151,97.777 37.025,97.861 36.876,97.89 36.728,97.861 36.686,97.833 36.602,97.777 36.518,97.651 36.488,97.502 36.518,97.353 36.602,97.227 36.686,97.171 36.728,97.143 36.876,97.113 37.025,97.143 37.151,97.227 37.235,97.353 37.265,97.502
  region: 51.087,101.434 51.058,101.582 50.974,101.708 50.848,101.793 50.699,101.822 50.55,101.793 50.508,101.764 50.424,101.708 50.34,101.582 50.31,101.434 50.34,101.285 50.424,101.159 50.508,101.103 50.55,101.075 50.699,101.045 50.848,101.075 50.974,101.159 51.058,101.285 51.087,101.434
  region: 57.849,97.917 57.82,98.065 57.735,98.191 57.609,98.276 57.461,98.305 57.312,98.276 57.27,98.247 57.186,98.191 57.102,98.065 57.072,97.917 57.102,97.768 57.186,97.642 57.27,97.586 57.312,97.558 57.461,97.528 57.609,97.558 57.735,97.642 57.82,97.768 57.849,97.917
  region: 39.971,97.09 39.942,97.239 39.858,97.365 39.732,97.449 39.583,97.479 39.434,97.449 39.392,97.421 39.308,97.365 39.224,97.239 39.194,97.09 39.224,96.942 39.308,96.816 39.392,96.76 39.434,96.732 39.583,96.702 39.732,96.732 39.858,96.816 39.942,96.942 39.971,97.09
  region: 42.36,97.047 42.331,97.196 42.246,97.322 42.12,97.406 41.972,97.436 41.823,97.406 41.781,97.378 41.697,97.322 41.613,97.196 41.583,97.047 41.613,96.898 41.697,96.772 41.781,96.716 41.823,96.688 41.972,96.659 42.12,96.688 42.246,96.772 42.331,96.898 42.36,97.047
  region: 57.087,97.917 57.058,98.065 56.973,98.191 56.847,98.276 56.699,98.305 56.55,98.276 56.508,98.247 56.424,98.191 56.34,98.065 56.31,97.917 56.34,97.768 56.424,97.642 56.508,97.586 56.55,97.558 56.699,97.528 56.847,97.558 56.973,97.642 57.058,97.768 57.087,97.917
  region: 54.849,101.434 54.82,101.582 54.736,101.708 54.61,101.793 54.461,101.822 54.312,101.793 54.27,101.764 54.186,101.708 54.102,101.582 54.072,101.434 54.102,101.285 54.186,101.159 54.27,101.103 54.312,101.075 54.461,101.045 54.61,101.075 54.736,101.159 54.82,101.285 54.849,101.434
  region: 43.122,97.047 43.093,97.196 43.008,97.322 42.882,97.406 42.734,97.436 42.585,97.406 42.543,97.378 42.459,97.322 42.375,97.196 42.345,97.047 42.375,96.898 42.459,96.772 42.543,96.716 42.585,96.688 42.734,96.659 42.882,96.688 43.008,96.772 43.093,96.898 43.122,97.047
  region: 51.849,101.434 51.82,101.582 51.736,101.708 51.61,101.793 51.461,101.822 51.312,101.793 51.27,101.764 51.186,101.708 51.102,101.582 51.072,101.434 51.102,101.285 51.186,101.159 51.27,101.103 51.312,101.075 51.461,101.045 51.61,101.075 51.736,101.159 51.82,101.285 51.849,101.434
  region: 36.778,96.088 36.749,96.237 36.665,96.363 36.538,96.447 36.39,96.477 36.241,96.447 36.199,96.419 36.115,96.363 36.031,96.237 36.001,96.088 36.031,95.94 36.115,95.814 36.199,95.758 36.241,95.729 36.39,95.7 36.538,95.729 36.665,95.814 36.749,95.94 36.778,96.088
L04_GND2:
  region: 39.971,97.09 39.942,97.239 39.858,97.365 39.732,97.449 39.583,97.479 39.434,97.449 39.392,97.421 39.308,97.365 39.224,97.239 39.194,97.09 39.224,96.942 39.308,96.816 39.392,96.76 39.434,96.732 39.583,96.702 39.732,96.732 39.858,96.816 39.942,96.942 39.971,97.09
  region: 54.087,101.434 54.058,101.582 53.974,101.708 53.848,101.793 53.699,101.822 53.55,101.793 53.508,101.764 53.424,101.708 53.34,101.582 53.31,101.434 53.34,101.285 53.424,101.159 53.508,101.103 53.55,101.075 53.699,101.045 53.848,101.075 53.974,101.159 54.058,101.285 54.087,101.434
  region: 51.849,101.434 51.82,101.582 51.736,101.708 51.61,101.793 51.461,101.822 51.312,101.793 51.27,101.764 51.186,101.708 51.102,101.582 51.072,101.434 51.102,101.285 51.186,101.159 51.27,101.103 51.312,101.075 51.461,101.045 51.61,101.075 51.736,101.159 51.82,101.285 51.849,101.434
  region: 42.36,97.047 42.331,97.196 42.246,97.322 42.12,97.406 41.972,97.436 41.823,97.406 41.781,97.378 41.697,97.322 41.613,97.196 41.583,97.047 41.613,96.898 41.697,96.772 41.781,96.716 41.823,96.688 41.972,96.659 42.12,96.688 42.246,96.772 42.331,96.898 42.36,97.047
  region: 36.778,96.088 36.749,96.237 36.665,96.363 36.538,96.447 36.39,96.477 36.241,96.447 36.199,96.419 36.115,96.363 36.031,96.237 36.001,96.088 36.031,95.94 36.115,95.814 36.199,95.758 36.241,95.729 36.39,95.7 36.538,95.729 36.665,95.814 36.749,95.94 36.778,96.088
  region: 57.087,97.917 57.058,98.065 56.973,98.191 56.847,98.276 56.699,98.305 56.55,98.276 56.508,98.247 56.424,98.191 56.34,98.065 56.31,97.917 56.34,97.768 56.424,97.642 56.508,97.586 56.55,97.558 56.699,97.528 56.847,97.558 56.973,97.642 57.058,97.768 57.087,97.917
  region: 57.849,97.917 57.82,98.065 57.735,98.191 57.609,98.276 57.461,98.305 57.312,98.276 57.27,98.247 57.186,98.191 57.102,98.065 57.072,97.917 57.102,97.768 57.186,97.642 57.27,97.586 57.312,97.558 57.461,97.528 57.609,97.558 57.735,97.642 57.82,97.768 57.849,97.917
  region: 54.849,101.434 54.82,101.582 54.736,101.708 54.61,101.793 54.461,101.822 54.312,101.793 54.27,101.764 54.186,101.708 54.102,101.582 54.072,101.434 54.102,101.285 54.186,101.159 54.27,101.103 54.312,101.075 54.461,101.045 54.61,101.075 54.736,101.159 54.82,101.285 54.849,101.434
  region: 40.733,97.09 40.704,97.239 40.62,97.365 40.494,97.449 40.345,97.479 40.196,97.449 40.154,97.421 40.07,97.365 39.986,97.239 39.956,97.09 39.986,96.942 40.07,96.816 40.154,96.76 40.196,96.732 40.345,96.702 40.494,96.732 40.62,96.816 40.704,96.942 40.733,97.09
  region: 51.087,101.434 51.058,101.582 50.974,101.708 50.848,101.793 50.699,101.822 50.55,101.793 50.508,101.764 50.424,101.708 50.34,101.582 50.31,101.434 50.34,101.285 50.424,101.159 50.508,101.103 50.55,101.075 50.699,101.045 50.848,101.075 50.974,101.159 51.058,101.285 51.087,101.434
  region: 37.265,97.502 37.235,97.651 37.151,97.777 37.025,97.861 36.876,97.89 36.728,97.861 36.686,97.833 36.602,97.777 36.518,97.651 36.488,97.502 36.518,97.353 36.602,97.227 36.686,97.171 36.728,97.143 36.876,97.113 37.025,97.143 37.151,97.227 37.235,97.353 37.265,97.502
  region: 43.122,97.047 43.093,97.196 43.008,97.322 42.882,97.406 42.734,97.436 42.585,97.406 42.543,97.378 42.459,97.322 42.375,97.196 42.345,97.047 42.375,96.898 42.459,96.772 42.543,96.716 42.585,96.688 42.734,96.659 42.882,96.688 43.008,96.772 43.093,96.898 43.122,97.047
L05_PWR1:
  region: 57.849,97.917 57.82,98.065 57.735,98.191 57.609,98.276 57.461,98.305 57.312,98.276 57.27,98.247 57.186,98.191 57.102,98.065 57.072,97.917 57.102,97.768 57.186,97.642 57.27,97.586 57.312,97.558 57.461,97.528 57.609,97.558 57.735,97.642 57.82,97.768 57.849,97.917
  region: 43.122,97.047 43.093,97.196 43.008,97.322 42.882,97.406 42.734,97.436 42.585,97.406 42.543,97.378 42.459,97.322 42.375,97.196 42.345,97.047 42.375,96.898 42.459,96.772 42.543,96.716 42.585,96.688 42.734,96.659 42.882,96.688 43.008,96.772 43.093,96.898 43.122,97.047
  region: 54.087,101.434 54.058,101.582 53.974,101.708 53.848,101.793 53.699,101.822 53.55,101.793 53.508,101.764 53.424,101.708 53.34,101.582 53.31,101.434 53.34,101.285 53.424,101.159 53.508,101.103 53.55,101.075 53.699,101.045 53.848,101.075 53.974,101.159 54.058,101.285 54.087,101.434
  region: 57.087,97.917 57.058,98.065 56.973,98.191 56.847,98.276 56.699,98.305 56.55,98.276 56.508,98.247 56.424,98.191 56.34,98.065 56.31,97.917 56.34,97.768 56.424,97.642 56.508,97.586 56.55,97.558 56.699,97.528 56.847,97.558 56.973,97.642 57.058,97.768 57.087,97.917
  region: 51.087,101.434 51.058,101.582 50.974,101.708 50.848,101.793 50.699,101.822 50.55,101.793 50.508,101.764 50.424,101.708 50.34,101.582 50.31,101.434 50.34,101.285 50.424,101.159 50.508,101.103 50.55,101.075 50.699,101.045 50.848,101.075 50.974,101.159 51.058,101.285 51.087,101.434
  region: 54.849,101.434 54.82,101.582 54.736,101.708 54.61,101.793 54.461,101.822 54.312,101.793 54.27,101.764 54.186,101.708 54.102,101.582 54.072,101.434 54.102,101.285 54.186,101.159 54.27,101.103 54.312,101.075 54.461,101.045 54.61,101.075 54.736,101.159 54.82,101.285 54.849,101.434
  region: 42.36,97.047 42.331,97.196 42.246,97.322 42.12,97.406 41.972,97.436 41.823,97.406 41.781,97.378 41.697,97.322 41.613,97.196 41.583,97.047 41.613,96.898 41.697,96.772 41.781,96.716 41.823,96.688 41.972,96.659 42.12,96.688 42.246,96.772 42.331,96.898 42.36,97.047
  region: 36.778,96.088 36.749,96.237 36.665,96.363 36.538,96.447 36.39,96.477 36.241,96.447 36.199,96.419 36.115,96.363 36.031,96.237 36.001,96.088 36.031,95.94 36.115,95.814 36.199,95.758 36.241,95.729 36.39,95.7 36.538,95.729 36.665,95.814 36.749,95.94 36.778,96.088
  region: 51.849,101.434 51.82,101.582 51.736,101.708 51.61,101.793 51.461,101.822 51.312,101.793 51.27,101.764 51.186,101.708 51.102,101.582 51.072,101.434 51.102,101.285 51.186,101.159 51.27,101.103 51.312,101.075 51.461,101.045 51.61,101.075 51.736,101.159 51.82,101.285 51.849,101.434
  region: 37.265,97.502 37.235,97.651 37.151,97.777 37.025,97.861 36.876,97.89 36.728,97.861 36.686,97.833 36.602,97.777 36.518,97.651 36.488,97.502 36.518,97.353 36.602,97.227 36.686,97.171 36.728,97.143 36.876,97.113 37.025,97.143 37.151,97.227 37.235,97.353 37.265,97.502
  region: 39.971,97.09 39.942,97.239 39.858,97.365 39.732,97.449 39.583,97.479 39.434,97.449 39.392,97.421 39.308,97.365 39.224,97.239 39.194,97.09 39.224,96.942 39.308,96.816 39.392,96.76 39.434,96.732 39.583,96.702 39.732,96.732 39.858,96.816 39.942,96.942 39.971,97.09
  region: 40.733,97.09 40.704,97.239 40.62,97.365 40.494,97.449 40.345,97.479 40.196,97.449 40.154,97.421 40.07,97.365 39.986,97.239 39.956,97.09 39.986,96.942 40.07,96.816 40.154,96.76 40.196,96.732 40.345,96.702 40.494,96.732 40.62,96.816 40.704,96.942 40.733,97.09

## Text inside footprints (layer, text, board x,y; h text height)
Q9: PIN_NUMBER "4" at 76.787,76.807 h0.25 r270; PIN_NUMBER "7" at 76.787,75.926 h0.25 r270; PIN_NUMBER "8" at 77.762,75.831 h0.25 r270; PIN_NUMBER "6" at 78.087,76.807 h0.25 r270; PIN_NUMBER "5" at 77.437,76.807 h0.25 r270; PIN_NUMBER "2" at 77.437,74.856 h0.25 r270; PIN_NUMBER "1" at 78.087,74.856 h0.25 r270; PIN_NUMBER "3" at 76.787,74.856 h0.25 r270; DISPLAY_BOTTOM "4" at 76.898,76.708 h0.51; DISPLAY_BOTTOM "3" at 77.025,74.549 h0.51; Bottom Overlay "6" at 79.057,77.089 h0.51
Q13: PIN_NUMBER "7" at 11.267,28.08 h0.25 r90; PIN_NUMBER "4" at 11.267,27.2 h0.25 r90; PIN_NUMBER "3" at 11.267,29.15 h0.25 r90; PIN_NUMBER "1" at 9.967,29.15 h0.25 r90; PIN_NUMBER "2" at 10.617,29.15 h0.25 r90; PIN_NUMBER "5" at 10.617,27.2 h0.25 r90; PIN_NUMBER "6" at 9.967,27.2 h0.25 r90; PIN_NUMBER "8" at 10.292,28.175 h0.25 r90; Bottom Overlay "6" at 9.716,26.289 h0.51; Bottom Overlay "4" at 12.002,26.416 h0.51; Bottom Overlay "3" at 12.636,29.591 h0.51
Q14: PIN_NUMBER "7" at 13.305,25.361 h0.25 r270; PIN_NUMBER "4" at 14.131,25.361 h0.25 r270; PIN_NUMBER "1" at 12.286,24.061 h0.25 r270; PIN_NUMBER "2" at 12.286,24.711 h0.25 r270; PIN_NUMBER "6" at 14.131,24.061 h0.25 r270; PIN_NUMBER "5" at 14.131,24.711 h0.25 r270; PIN_NUMBER "8" at 13.209,24.386 h0.25 r270; PIN_NUMBER "3" at 12.286,25.361 h0.25 r270; Bottom Overlay "6" at 15.343,23.59 h0.51; Bottom Overlay "4" at 15.343,25.038 h0.51; Bottom Overlay "3" at 12.509,26.162 h0.51